# KiCad board EOutside.kicad_pcb (continued)
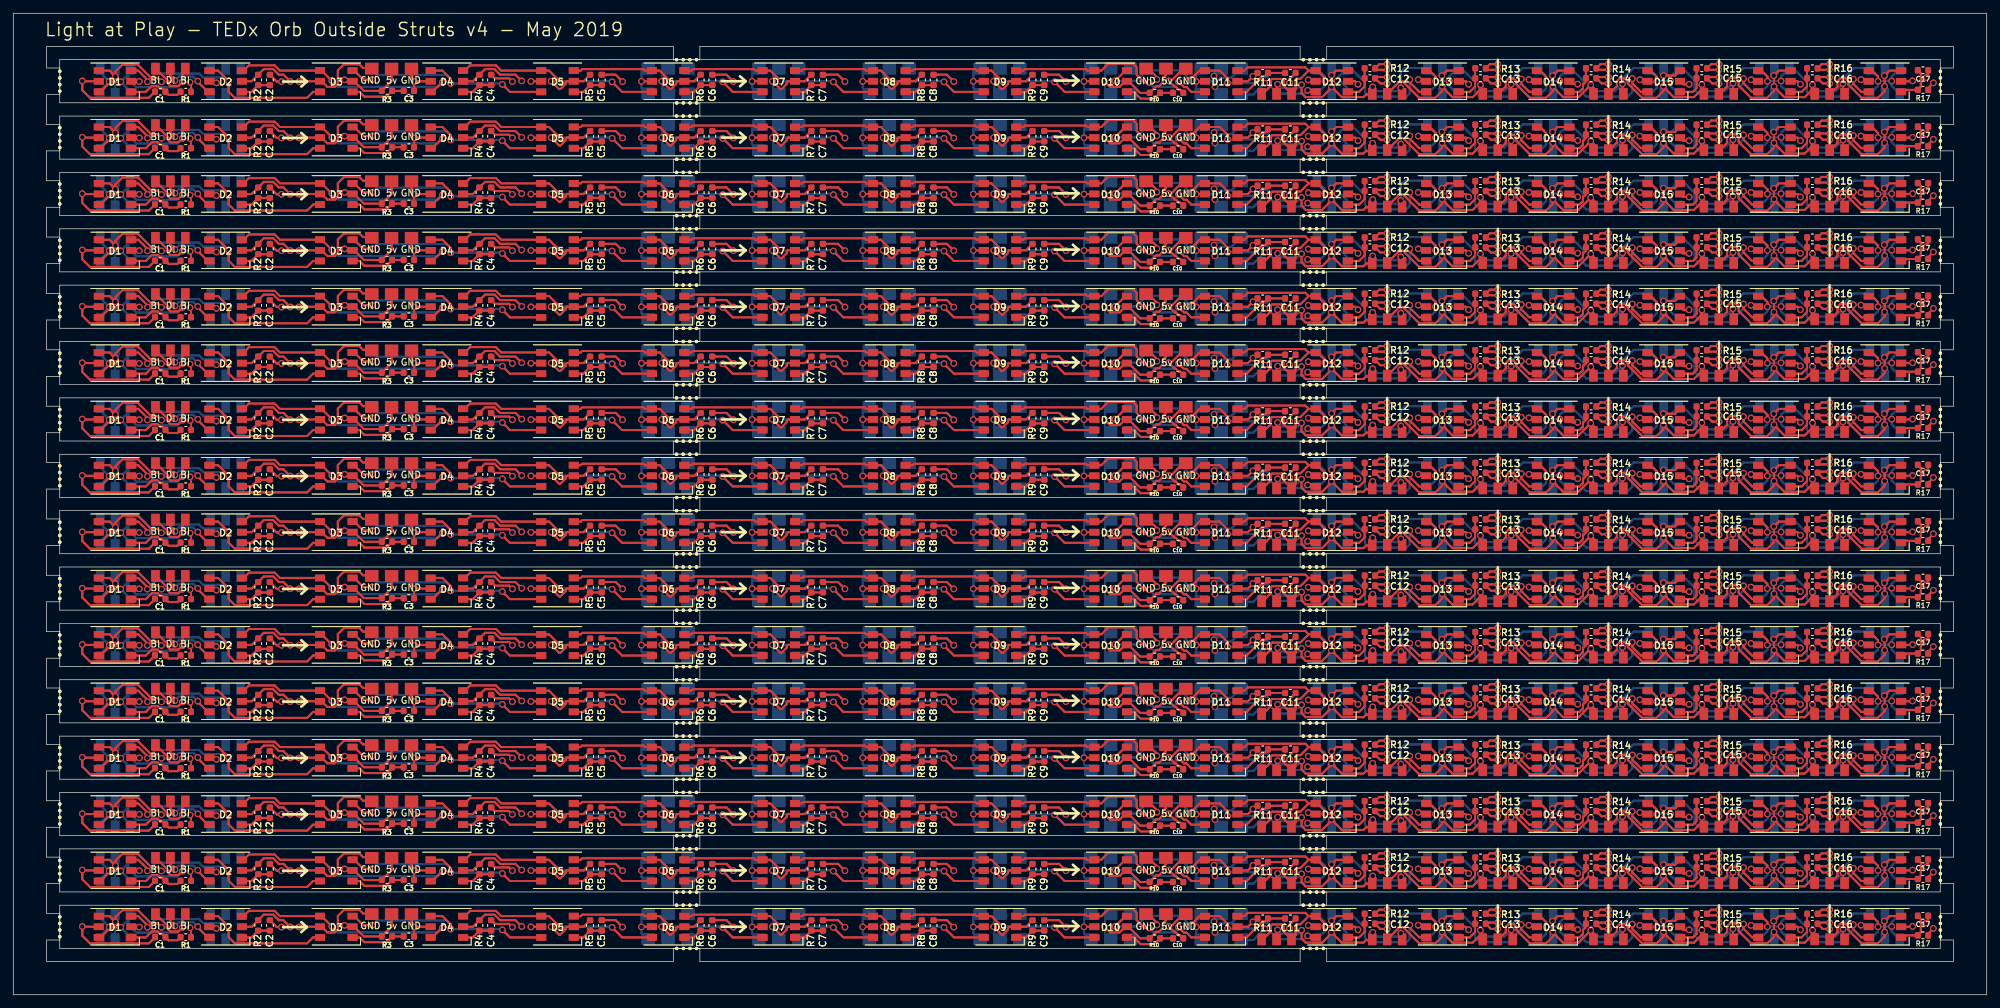
[diagram p0: board, top side]
## Routing (per net, layer and track width the routed paths; a pad name or vN(x,y) marks a point on that pad's centre or on a via; arc(x,y) is an arc through that point) (continued)
  Bottom w0.3: 233.02,137.03 234.2,135.85 233.02,137.03 ; 233.02,137.03 v1(233.02,137.79) ; 233.02,137.03 v1(233.02,137.79) ; v1(233.02,137.79) 233.02,138.47 ; v1(233.02,137.79) 233.02,138.47 ; v1(233.02,137.79) 231.02,137.79 ; v1(233.02,137.79) 231.02,137.79 ; 233.02,138.47 234.2,139.65 233.02,138.47 ; 233.02,128.53 234.2,127.35 233.02,128.53 ; 233.02,128.53 v1(233.02,129.29) ; 233.02,128.53 v1(233.02,129.29) ; v1(233.02,129.29) 233.02,129.97 ; v1(233.02,129.29) 231.02,129.29 ; v1(233.02,129.29) 231.02,129.29 ; v1(233.02,129.29) 233.02,129.97 ; 233.02,129.97 234.2,131.15 233.02,129.97 ; 215.39,131.24 215.33,131.3 215.39,131.24 ; 215.39,131.24 215.39,130.84 215.39,131.24 ; 215.25,131.06 J9#36.1 215.25,131.06 ; 215.25,131.06 v1(215.25,130.09) 215.25,131.06 ; 215.28,127.4 J9#35.1 215.28,127.4 ; 215.28,127.4 v1(215.28,128.47) 215.28,127.4 ; 231.02,129.29 v1(230.95,129.23) ; 231.02,129.29 v1(230.95,129.23) ; v1(230.95,129.23) 230.95,129.22 ; v1(230.95,129.23) 230.95,129.95 ; v1(230.95,129.23) 230.95,129.95 ; v1(230.95,129.23) 230.95,129.22 ; 230.13,127.35 230.95,128.18 ; 230.13,127.35 J10#35.2 230.13,127.35 ; 230.13,127.35 230.95,128.18 ; 230.95,128.18 230.95,129.22 ; 230.95,128.18 230.95,129.22 ; 230.95,129.95 J10#36.2 230.95,129.95 ; 225.18,128.28 v1(225.68,128.78) ; 225.18,128.28 224.66,127.76 ; 225.18,128.28 224.66,127.76 ; 225.18,128.28 v1(225.68,128.78) ; v1(225.68,128.78) 225.68,129.48 ; v1(225.68,128.78) 225.68,129.48 ; 222.01,127.76 224.66,127.76 ; 222.01,127.76 v1(221.05,128.73) 222.01,127.76 ; 222.01,127.76 224.66,127.76 ; 227.44,131.25 229.75,131.25 227.44,131.25 ; 227.44,131.25 225.68,129.48 ; 227.44,131.25 225.68,129.48 ; 243.93,127.62 v1(243.93,129.65) 243.93,127.62 ; 243.93,127.62 243.23,126.93 ; 243.93,127.62 243.23,126.93 ; 236.5,129.2 236.51,129.19 ; 236.5,129.2 236.5,129.38 ; 236.5,129.2 236.5,129.38 ; 236.5,129.2 236.51,129.19 ; 236.51,129.19 236.51,127.42 ; 236.51,129.19 236.51,127.42 ; 236.51,127.42 237,126.93 ; 236.51,127.42 237,126.93 ; 236.5,129.38 234.58,131.3 ; 236.5,129.38 234.58,131.3 ; 243.23,126.93 237,126.93 ; 243.23,126.93 237,126.93 ; 234.58,131.3 234.25,131.3 234.58,131.3 ; 233.02,120.03 234.2,118.85 233.02,120.03 ; 233.02,120.03 v1(233.02,120.79) ; 233.02,120.03 v1(233.02,120.79) ; v1(233.02,120.79) 233.02,121.47 ; v1(233.02,120.79) 231.02,120.79 ; v1(233.02,120.79) 231.02,120.79 ; v1(233.02,120.79) 233.02,121.47 ; 233.02,121.47 234.2,122.65 233.02,121.47 ; 215.39,122.74 215.33,122.8 215.39,122.74 ; 215.39,122.74 215.39,122.34 215.39,122.74 ; 215.25,122.56 J9#39.1 215.25,122.56 ; 215.25,122.56 v1(215.25,121.59) 215.25,122.56 ; 215.28,118.9 J9#37.1 215.28,118.9 ; 215.28,118.9 v1(215.28,119.97) 215.28,118.9 ; 231.02,120.79 v1(230.95,120.73) ; 231.02,120.79 v1(230.95,120.73) ; v1(230.95,120.73) 230.95,120.72 ; v1(230.95,120.73) 230.95,121.45 ; v1(230.95,120.73) 230.95,120.72 ; v1(230.95,120.73) 230.95,121.45 ; 230.13,118.85 230.95,119.68 ; 230.13,118.85 J10#37.2 230.13,118.85 ; 230.13,118.85 230.95,119.68 ; 230.95,119.68 230.95,120.72 ; 230.95,119.68 230.95,120.72 ; 230.95,121.45 J10#40.2 230.95,121.45 ; 225.18,119.78 v1(225.68,120.28) ; 225.18,119.78 224.66,119.26 ; 225.18,119.78 v1(225.68,120.28) ; 225.18,119.78 224.66,119.26 ; v1(225.68,120.28) 225.68,120.98 ; v1(225.68,120.28) 225.68,120.98 ; 222.01,119.26 224.66,119.26 ; 222.01,119.26 v1(221.05,120.23) 222.01,119.26 ; 222.01,119.26 224.66,119.26 ; 227.44,122.75 229.75,122.75 227.44,122.75 ; 227.44,122.75 225.68,120.98 ; 227.44,122.75 225.68,120.98 ; 243.93,119.12 v1(243.93,121.15) 243.93,119.12 ; 243.93,119.12 243.23,118.43 ; 243.93,119.12 243.23,118.43 ; 236.5,120.7 236.51,120.69 ; 236.5,120.7 236.5,120.88 ; 236.5,120.7 236.51,120.69 ; 236.5,120.7 236.5,120.88 ; 236.51,120.69 236.51,118.92 ; 236.51,120.69 236.51,118.92 ; 236.51,118.92 237,118.43 ; 236.51,118.92 237,118.43 ; 236.5,120.88 234.58,122.8 ; 236.5,120.88 234.58,122.8 ; 243.23,118.43 237,118.43 ; 243.23,118.43 237,118.43 ; 234.58,122.8 234.25,122.8 234.58,122.8 ; 234.58,114.3 236.5,112.38 ; 234.58,114.3 234.25,114.3 234.58,114.3 ; 234.58,114.3 236.5,112.38 ; 236.5,112.38 236.5,112.2 ; 236.5,112.38 236.5,112.2 ; 243.23,109.93 243.93,110.62 ; 243.23,109.93 237,109.93 ; 243.23,109.93 243.93,110.62 ; 243.23,109.93 237,109.93 ; 243.93,110.62 v1(243.93,112.65) 243.93,110.62 ; 237,109.93 236.51,110.42 ; 237,109.93 236.51,110.42 ; 236.51,112.19 236.51,110.42 ; 236.51,112.19 236.5,112.2 ; 236.51,112.19 236.5,112.2 ; 236.51,112.19 236.51,110.42 ; 225.68,112.48 v1(225.68,111.78) ; 225.68,112.48 227.44,114.25 ; 225.68,112.48 v1(225.68,111.78) ; 225.68,112.48 227.44,114.25 ; v1(225.68,111.78) 225.18,111.28 ; v1(225.68,111.78) 225.18,111.28 ; 224.66,110.76 225.18,111.28 ; 224.66,110.76 222.01,110.76 ; 224.66,110.76 225.18,111.28 ; 224.66,110.76 222.01,110.76 ; 227.44,114.25 229.75,114.25 227.44,114.25 ; 222.01,110.76 v1(221.05,111.73) 222.01,110.76 ; v1(230.95,112.23) 230.95,112.95 ; v1(230.95,112.23) 230.95,112.22 ; v1(230.95,112.23) 231.02,112.29 ; v1(230.95,112.23) 230.95,112.95 ; v1(230.95,112.23) 230.95,112.22 ; v1(230.95,112.23) 231.02,112.29 ; 230.95,112.95 J10#39.2 230.95,112.95 ; 230.13,110.35 J10#38.2 230.13,110.35 ; 230.13,110.35 230.95,111.18 ; 230.13,110.35 230.95,111.18 ; 230.95,111.18 230.95,112.22 ; 230.95,111.18 230.95,112.22 ; v1(233.02,112.29) 231.02,112.29 ; v1(233.02,112.29) 233.02,111.53 ; v1(233.02,112.29) 233.02,112.97 ; v1(233.02,112.29) 233.02,111.53 ; v1(233.02,112.29) 233.02,112.97 ; v1(233.02,112.29) 231.02,112.29 ; 215.25,114.06 J9#40.1 215.25,114.06 ; 215.25,114.06 v1(215.25,113.09) 215.25,114.06 ; 215.28,110.4 v1(215.28,111.47) 215.28,110.4 ; 215.28,110.4 J9#38.1 215.28,110.4 ; 215.39,114.24 215.39,113.84 215.39,114.24 ; 215.39,114.24 215.33,114.3 215.39,114.24 ; 233.02,112.97 234.2,114.15 233.02,112.97 ; 233.02,111.53 234.2,110.35 233.02,111.53 ; 215.39,139.74 215.33,139.8 215.39,139.74 ; 215.39,139.74 215.39,139.34 215.39,139.74 ; 215.25,139.56 J9#33.1 215.25,139.56 ; 215.25,139.56 v1(215.25,138.59) 215.25,139.56 ; 215.28,135.9 J9#34.1 215.28,135.9 ; 215.28,135.9 v1(215.28,136.97) 215.28,135.9 ; 231.02,137.79 v1(230.95,137.73) ; 231.02,137.79 v1(230.95,137.73) ; v1(230.95,137.73) 230.95,137.72 ; v1(230.95,137.73) 230.95,138.45 ; v1(230.95,137.73) 230.95,138.45 ; v1(230.95,137.73) 230.95,137.72 ; 230.13,135.85 230.95,136.68 ; 230.13,135.85 J10#34.2 230.13,135.85 ; 230.13,135.85 230.95,136.68 ; 230.95,136.68 230.95,137.72 ; 230.95,136.68 230.95,137.72 ; 230.95,138.45 J10#33.2 230.95,138.45 ; 225.18,136.78 v1(225.68,137.28) ; 225.18,136.78 224.66,136.26 ; 225.18,136.78 v1(225.68,137.28) ; 225.18,136.78 224.66,136.26 ; v1(225.68,137.28) 225.68,137.98 ; v1(225.68,137.28) 225.68,137.98 ; 222.01,136.26 224.66,136.26 ; 222.01,136.26 v1(221.05,137.23) 222.01,136.26 ; 222.01,136.26 224.66,136.26 ; 227.44,139.75 229.75,139.75 227.44,139.75 ; 227.44,139.75 225.68,137.98 ; 227.44,139.75 225.68,137.98 ; 243.93,136.12 v1(243.93,138.15) 243.93,136.12 ; 243.93,136.12 243.23,135.43 ; 243.93,136.12 243.23,135.43 ; 236.5,137.7 236.51,137.69 ; 236.5,137.7 236.5,137.88 ; 236.5,137.7 236.5,137.88 ; 236.5,137.7 236.51,137.69 ; 236.51,137.69 236.51,135.92 ; 236.51,137.69 236.51,135.92 ; 236.51,135.92 237,135.43 ; 236.51,135.92 237,135.43 ; 236.5,137.88 234.58,139.8 ; 236.5,137.88 234.58,139.8 ; 243.23,135.43 237,135.43 ; 243.23,135.43 237,135.43 ; 234.58,139.8 234.25,139.8 234.58,139.8 ; 233.02,103.03 234.2,101.85 233.02,103.03 ; 233.02,103.03 v1(233.02,103.79) ; 233.02,103.03 v1(233.02,103.79) ; v1(233.02,103.79) 233.02,104.47 ; v1(233.02,103.79) 231.02,103.79 ; v1(233.02,103.79) 231.02,103.79 ; v1(233.02,103.79) 233.02,104.47 ; 233.02,104.47 234.2,105.65 233.02,104.47 ; 215.39,105.74 215.33,105.8 215.39,105.74 ; 215.39,105.74 215.39,105.34 215.39,105.74 ; 215.25,105.56 J9#59.1 215.25,105.56 ; 215.25,105.56 v1(215.25,104.59) 215.25,105.56 ; 215.28,101.9 J9#52.1 215.28,101.9 ; 215.28,101.9 v1(215.28,102.97) 215.28,101.9 ; 231.02,103.79 v1(230.95,103.73) ; 231.02,103.79 v1(230.95,103.73) ; v1(230.95,103.73) 230.95,103.72 ; v1(230.95,103.73) 230.95,104.45 ; v1(230.95,103.73) 230.95,103.72 ; v1(230.95,103.73) 230.95,104.45 ; 230.13,101.85 230.95,102.68 ; 230.13,101.85 J10#53.2 230.13,101.85 ; 230.13,101.85 230.95,102.68 ; 230.95,102.68 230.95,103.72 ; 230.95,102.68 230.95,103.72 ; 230.95,104.45 J10#59.2 230.95,104.45 ; 225.18,102.78 v1(225.68,103.28) ; 225.18,102.78 224.66,102.26 ; 225.18,102.78 v1(225.68,103.28) ; 225.18,102.78 224.66,102.26 ; v1(225.68,103.28) 225.68,103.98 ; v1(225.68,103.28) 225.68,103.98 ; 222.01,102.26 224.66,102.26 ; 222.01,102.26 v1(221.05,103.23) 222.01,102.26 ; 222.01,102.26 224.66,102.26 ; 227.44,105.75 229.75,105.75 227.44,105.75 ; 227.44,105.75 225.68,103.98 ; 227.44,105.75 225.68,103.98 ; 243.93,102.12 v1(243.93,104.15) 243.93,102.12 ; 243.93,102.12 243.23,101.43 ; 243.93,102.12 243.23,101.43 ; 236.5,103.7 236.51,103.69 ; 236.5,103.7 236.5,103.88 ; 236.5,103.7 236.51,103.69 ; 236.5,103.7 236.5,103.88 ; 236.51,103.69 236.51,101.92 ; 236.51,103.69 236.51,101.92 ; 236.51,101.92 237,101.43 ; 236.51,101.92 237,101.43 ; 236.5,103.88 234.58,105.8 ; 236.5,103.88 234.58,105.8 ; 243.23,101.43 237,101.43 ; 243.23,101.43 237,101.43 ; 234.58,105.8 234.25,105.8 234.58,105.8 ; 234.58,97.3 236.5,95.38 ; 234.58,97.3 234.25,97.3 234.58,97.3 ; 234.58,97.3 236.5,95.38 ; 236.5,95.38 236.5,95.2 ; 236.5,95.38 236.5,95.2 ; 243.23,92.93 243.93,93.62 ; 243.23,92.93 237,92.93 ; 243.23,92.93 243.93,93.62 ; 243.23,92.93 237,92.93 ; 243.93,93.62 v1(243.93,95.65) 243.93,93.62 ; 237,92.93 236.51,93.42 ; 237,92.93 236.51,93.42 ; 236.51,95.19 236.51,93.42 ; 236.51,95.19 236.5,95.2 ; 236.51,95.19 236.51,93.42 ; 236.51,95.19 236.5,95.2 ; 225.68,95.48 v1(225.68,94.78) ; 225.68,95.48 227.44,97.25 ; 225.68,95.48 v1(225.68,94.78) ; 225.68,95.48 227.44,97.25 ; v1(225.68,94.78) 225.18,94.28 ; v1(225.68,94.78) 225.18,94.28 ; 224.66,93.76 225.18,94.28 ; 224.66,93.76 222.01,93.76 ; 224.66,93.76 225.18,94.28 ; 224.66,93.76 222.01,93.76 ; 227.44,97.25 229.75,97.25 227.44,97.25 ; 222.01,93.76 v1(221.05,94.73) 222.01,93.76 ; v1(230.95,95.23) 230.95,95.95 ; v1(230.95,95.23) 230.95,95.22 ; v1(230.95,95.23) 231.02,95.29 ; v1(230.95,95.23) 230.95,95.22 ; v1(230.95,95.23) 231.02,95.29 ; v1(230.95,95.23) 230.95,95.95 ; 230.95,95.95 J10#62.2 230.95,95.95 ; 230.13,93.35 J10#56.2 230.13,93.35 ; 230.13,93.35 230.95,94.18 ; 230.13,93.35 230.95,94.18 ; 230.95,94.18 230.95,95.22 ; 230.95,94.18 230.95,95.22 ; v1(233.02,95.29) 231.02,95.29 ; v1(233.02,95.29) 233.02,94.53 ; v1(233.02,95.29) 233.02,95.97 ; v1(233.02,95.29) 233.02,94.53 ; v1(233.02,95.29) 233.02,95.97 ; v1(233.02,95.29) 231.02,95.29 ; 215.25,97.06 J9#62.1 215.25,97.06 ; 215.25,97.06 v1(215.25,96.09) 215.25,97.06 ; 215.28,93.4 v1(215.28,94.47) 215.28,93.4 ; 215.28,93.4 J9#55.1 215.28,93.4 ; 215.39,97.24 215.39,96.84 215.39,97.24 ; 215.39,97.24 215.33,97.3 215.39,97.24 ; 233.02,95.97 234.2,97.15 233.02,95.97 ; 233.02,94.53 234.2,93.35 233.02,94.53 ; 233.02,78.97 234.2,80.15 233.02,78.97 ; 233.02,78.97 v1(233.02,78.29) ; 233.02,78.97 v1(233.02,78.29) ; v1(233.02,78.29) 233.02,77.53 ; v1(233.02,78.29) 231.02,78.29 ; v1(233.02,78.29) 231.02,78.29 ; v1(233.02,78.29) 233.02,77.53 ; 233.02,77.53 234.2,76.35 233.02,77.53 ; 236.5,78.38 236.5,78.2 ; 236.5,78.38 234.58,80.3 ; 236.5,78.38 236.5,78.2 ; 236.5,78.38 234.58,80.3 ; 236.5,78.2 236.51,78.19 ; 236.5,78.2 236.51,78.19 ; 243.93,76.62 v1(243.93,78.65) 243.93,76.62 ; 243.93,76.62 243.23,75.93 ; 243.93,76.62 243.23,75.93 ; 236.51,78.19 236.51,76.42 ; 236.51,78.19 236.51,76.42 ; 225.68,78.48 v1(225.68,77.78) ; 225.68,78.48 227.44,80.25 ; 225.68,78.48 v1(225.68,77.78) ; 225.68,78.48 227.44,80.25 ; v1(225.68,77.78) 225.18,77.28 ; v1(225.68,77.78) 225.18,77.28 ; 224.66,76.76 225.18,77.28 ; 224.66,76.76 222.01,76.76 ; 224.66,76.76 225.18,77.28 ; 224.66,76.76 222.01,76.76 ; 227.44,80.25 229.75,80.25 227.44,80.25 ; 222.01,76.76 v1(221.05,77.73) 222.01,76.76 ; v1(230.95,78.23) 230.95,78.95 ; v1(230.95,78.23) 230.95,78.22 ; v1(230.95,78.23) 231.02,78.29 ; v1(230.95,78.23) 230.95,78.95 ; v1(230.95,78.23) 230.95,78.22 ; v1(230.95,78.23) 231.02,78.29 ; 230.95,78.95 J10#52.2 230.95,78.95 ; 230.13,76.35 J10#50.2 230.13,76.35 ; 230.13,76.35 230.95,77.18 ; 230.13,76.35 230.95,77.18 ; 230.95,77.18 230.95,78.22 ; 230.95,77.18 230.95,78.22 ; 215.25,80.06 J9#56.1 215.25,80.06 ; 215.25,80.06 v1(215.25,79.09) 215.25,80.06 ; 215.28,76.4 v1(215.28,77.47) 215.28,76.4 ; 215.28,76.4 J9#50.1 215.28,76.4 ; 234.58,80.3 234.25,80.3 234.58,80.3 ; 236.51,76.42 237,75.93 ; 236.51,76.42 237,75.93 ; 237,75.93 243.23,75.93 ; 237,75.93 243.23,75.93 ; 215.39,80.24 215.39,79.84 215.39,80.24 ; 215.39,80.24 215.33,80.3 215.39,80.24 ; 215.39,88.74 215.33,88.8 215.39,88.74 ; 215.39,88.74 215.39,88.34 215.39,88.74 ; 215.25,88.56 J9#51.1 215.25,88.56 ; 215.25,88.56 v1(215.25,87.59) 215.25,88.56 ; 215.28,84.9 J9#49.1 215.28,84.9 ; 215.28,84.9 v1(215.28,85.97) 215.28,84.9 ; 231.02,86.79 v1(230.95,86.73) ; 231.02,86.79 v1(233.02,86.79) ; 231.02,86.79 v1(230.95,86.73) ; 231.02,86.79 v1(233.02,86.79) ; v1(230.95,86.73) 230.95,86.72 ; v1(230.95,86.73) 230.95,87.45 ; v1(230.95,86.73) 230.95,86.72 ; v1(230.95,86.73) 230.95,87.45 ; v1(233.02,86.79) 233.02,86.03 ; v1(233.02,86.79) 233.02,87.47 ; v1(233.02,86.79) 233.02,86.03 ; v1(233.02,86.79) 233.02,87.47 ; 230.13,84.85 230.95,85.68 ; 230.13,84.85 J10#49.2 230.13,84.85 ; 230.13,84.85 230.95,85.68 ; 230.95,85.68 230.95,86.72 ; 230.95,85.68 230.95,86.72 ; 230.95,87.45 J10#51.2 230.95,87.45 ; 225.18,85.78 v1(225.68,86.28) ; 225.18,85.78 224.66,85.26 ; 225.18,85.78 v1(225.68,86.28) ; 225.18,85.78 224.66,85.26 ; v1(225.68,86.28) 225.68,86.98 ; v1(225.68,86.28) 225.68,86.98 ; 222.01,85.26 224.66,85.26 ; 222.01,85.26 v1(221.05,86.23) 222.01,85.26 ; 222.01,85.26 224.66,85.26 ; 227.44,88.75 229.75,88.75 227.44,88.75 ; 227.44,88.75 225.68,86.98 ; 227.44,88.75 225.68,86.98 ; 243.93,85.12 v1(243.93,87.15) 243.93,85.12 ; 243.93,85.12 243.23,84.43 ; 243.93,85.12 243.23,84.43 ; 236.5,86.7 236.51,86.69 ; 236.5,86.7 236.5,86.88 ; 236.5,86.7 236.51,86.69 ; 236.5,86.7 236.5,86.88 ; 236.51,86.69 236.51,84.92 ; 236.51,86.69 236.51,84.92 ; 236.51,84.92 237,84.43 ; 236.51,84.92 237,84.43 ; 236.5,86.88 234.58,88.8 ; 236.5,86.88 234.58,88.8 ; 243.23,84.43 237,84.43 ; 243.23,84.43 237,84.43 ; 234.58,88.8 234.25,88.8 234.58,88.8 ; 233.02,86.03 234.2,84.85 233.02,86.03 ; 233.02,87.47 234.2,88.65 233.02,87.47 ; 215.39,71.74 215.33,71.8 215.39,71.74 ; 215.39,71.74 215.39,71.34 215.39,71.74 ; 215.25,71.56 J9#73.1 215.25,71.56 ; 215.25,71.56 v1(215.25,70.59) 215.25,71.56 ; 215.28,67.9 J9#66.1 215.28,67.9 ; 215.28,67.9 v1(215.28,68.97) 215.28,67.9 ; 231.02,69.79 v1(230.95,69.73) ; 231.02,69.79 v1(233.02,69.79) ; 231.02,69.79 v1(230.95,69.73) ; 231.02,69.79 v1(233.02,69.79) ; v1(230.95,69.73) 230.95,69.72 ; v1(230.95,69.73) 230.95,70.45 ; v1(230.95,69.73) 230.95,69.72 ; v1(230.95,69.73) 230.95,70.45 ; v1(233.02,69.79) 233.02,69.03 ; v1(233.02,69.79) 233.02,70.47 ; v1(233.02,69.79) 233.02,69.03 ; v1(233.02,69.79) 233.02,70.47 ; 230.13,67.85 230.95,68.68 ; 230.13,67.85 J10#66.2 230.13,67.85 ; 230.13,67.85 230.95,68.68 ; 230.95,68.68 230.95,69.72 ; 230.95,68.68 230.95,69.72 ; 230.95,70.45 J10#74.2 230.95,70.45 ; 225.18,68.78 v1(225.68,69.28) ; 225.18,68.78 224.66,68.26 ; 225.18,68.78 v1(225.68,69.28) ; 225.18,68.78 224.66,68.26 ; v1(225.68,69.28) 225.68,69.98 ; v1(225.68,69.28) 225.68,69.98 ; 222.01,68.26 224.66,68.26 ; 222.01,68.26 v1(221.05,69.23) 222.01,68.26 ; 222.01,68.26 224.66,68.26 ; 227.44,71.75 229.75,71.75 227.44,71.75 ; 227.44,71.75 225.68,69.98 ; 227.44,71.75 225.68,69.98 ; 243.93,68.12 v1(243.93,70.15) 243.93,68.12 ; 243.93,68.12 243.23,67.43 ; 243.93,68.12 243.23,67.43 ; 236.5,69.7 236.51,69.69 ; 236.5,69.7 236.5,69.88 ; 236.5,69.7 236.51,69.69 ; 236.5,69.7 236.5,69.88 ; 236.51,69.69 236.51,67.92 ; 236.51,69.69 236.51,67.92 ; 236.51,67.92 237,67.43 ; 236.51,67.92 237,67.43 ; 236.5,69.88 234.58,71.8 ; 236.5,69.88 234.58,71.8 ; 243.23,67.43 237,67.43 ; 243.23,67.43 237,67.43 ; 234.58,71.8 234.25,71.8 234.58,71.8 ; 233.02,69.03 234.2,67.85 233.02,69.03 ; 233.02,70.47 234.2,71.65 233.02,70.47 ; 234.58,63.3 236.5,61.38 ; 234.58,63.3 234.25,63.3 234.58,63.3 ; 234.58,63.3 236.5,61.38 ; 236.5,61.38 236.5,61.2 ; 236.5,61.38 236.5,61.2 ; 243.23,58.93 243.93,59.62 ; 243.23,58.93 237,58.93 ; 243.23,58.93 243.93,59.62 ; 243.23,58.93 237,58.93 ; 243.93,59.62 v1(243.93,61.65) 243.93,59.62 ; 237,58.93 236.51,59.42 ; 237,58.93 236.51,59.42 ; 236.51,61.19 236.51,59.42 ; 236.51,61.19 236.5,61.2 ; 236.51,61.19 236.51,59.42 ; 236.51,61.19 236.5,61.2 ; 225.68,61.48 v1(225.68,60.78) ; 225.68,61.48 227.44,63.25 ; 225.68,61.48 v1(225.68,60.78) ; 225.68,61.48 227.44,63.25 ; v1(225.68,60.78) 225.18,60.28 ; v1(225.68,60.78) 225.18,60.28 ; 224.66,59.76 225.18,60.28 ; 224.66,59.76 222.01,59.76 ; 224.66,59.76 225.18,60.28 ; 224.66,59.76 222.01,59.76 ; 227.44,63.25 229.75,63.25 227.44,63.25 ; 222.01,59.76 v1(221.05,60.73) 222.01,59.76 ; v1(230.95,61.23) 230.95,61.95 ; v1(230.95,61.23) 230.95,61.22 ; v1(230.95,61.23) 231.02,61.29 ; v1(230.95,61.23) 230.95,61.22 ; v1(230.95,61.23) 231.02,61.29 ; v1(230.95,61.23) 230.95,61.95 ; 230.95,61.95 J10#73.2 230.95,61.95 ; 230.13,59.35 J10#68.2 230.13,59.35 ; 230.13,59.35 230.95,60.18 ; 230.13,59.35 230.95,60.18 ; 230.95,60.18 230.95,61.22 ; 230.95,60.18 230.95,61.22 ; v1(233.02,61.29) 231.02,61.29 ; v1(233.02,61.29) 233.02,60.53 ; v1(233.02,61.29) 233.02,61.97 ; v1(233.02,61.29) 231.02,61.29 ; v1(233.02,61.29) 233.02,60.53 ; v1(233.02,61.29) 233.02,61.97 ; 215.25,63.06 J9#74.1 215.25,63.06 ; 215.25,63.06 v1(215.25,62.09) 215.25,63.06 ; 215.28,59.4 v1(215.28,60.47) 215.28,59.4 ; 215.28,59.4 J9#65.1 215.28,59.4 ; 215.39,63.24 215.39,62.84 215.39,63.24 ; 215.39,63.24 215.33,63.3 215.39,63.24 ; 233.02,61.97 234.2,63.15 233.02,61.97 ; 233.02,60.53 234.2,59.35 233.02,60.53 ; 233.02,44.97 234.2,46.15 233.02,44.97 ; 233.02,44.97 v1(233.02,44.29) ; 233.02,44.97 v1(233.02,44.29) ; v1(233.02,44.29) 233.02,43.53 ; v1(233.02,44.29) 233.02,43.53 ; v1(233.02,44.29) 231.02,44.29 ; v1(233.02,44.29) 231.02,44.29 ; 233.02,43.53 234.2,42.35 233.02,43.53 ; 234.58,46.3 236.5,44.38 ; 234.58,46.3 236.5,44.38 ; 234.58,46.3 234.25,46.3 234.58,46.3 ; 236.5,44.38 236.5,44.2 ; 236.5,44.38 236.5,44.2 ; 243.23,41.93 243.93,42.62 ; 243.23,41.93 237,41.93 ; 243.23,41.93 243.93,42.62 ; 243.23,41.93 237,41.93 ; 243.93,42.62 v1(243.93,44.65) 243.93,42.62 ; 237,41.93 236.51,42.42 ; 237,41.93 236.51,42.42 ; 236.51,44.19 236.51,42.42 ; 236.51,44.19 236.51,42.42 ; 236.51,44.19 236.5,44.2 ; 236.51,44.19 236.5,44.2 ; 225.68,44.48 v1(225.68,43.78) ; 225.68,44.48 227.44,46.25 ; 225.68,44.48 v1(225.68,43.78) ; 225.68,44.48 227.44,46.25 ; v1(225.68,43.78) 225.18,43.28 ; v1(225.68,43.78) 225.18,43.28 ; 224.66,42.76 225.18,43.28 ; 224.66,42.76 222.01,42.76 ; 224.66,42.76 225.18,43.28 ; 224.66,42.76 222.01,42.76 ; 227.44,46.25 229.75,46.25 227.44,46.25 ; 222.01,42.76 v1(221.05,43.73) 222.01,42.76 ; v1(230.95,44.23) 230.95,44.95 ; v1(230.95,44.23) 230.95,44.22 ; v1(230.95,44.23) 231.02,44.29 ; v1(230.95,44.23) 230.95,44.95 ; v1(230.95,44.23) 230.95,44.22 ; v1(230.95,44.23) 231.02,44.29 ; 230.95,44.95 J10#67.2 230.95,44.95 ; 230.13,42.35 J10#65.2 230.13,42.35 ; 230.13,42.35 230.95,43.18 ; 230.13,42.35 230.95,43.18 ; 230.95,43.18 230.95,44.22 ; 230.95,43.18 230.95,44.22 ; 215.25,46.06 J9#70.1 215.25,46.06 ; 215.25,46.06 v1(215.25,45.09) 215.25,46.06 ; 215.28,42.4 v1(215.28,43.47) 215.28,42.4 ; 215.28,42.4 J9#75.1 215.28,42.4 ; 215.39,46.24 215.39,45.84 215.39,46.24 ; 215.39,46.24 215.33,46.3 215.39,46.24 ; 215.39,54.74 215.33,54.8 215.39,54.74 ; 215.39,54.74 215.39,54.34 215.39,54.74 ; 215.25,54.56 J9#67.1 215.25,54.56 ; 215.25,54.56 v1(215.25,53.59) 215.25,54.56 ; 215.28,50.9 J9#69.1 215.28,50.9 ; 215.28,50.9 v1(215.28,51.97) 215.28,50.9 ; 231.02,52.79 v1(230.95,52.73) ; 231.02,52.79 v1(233.02,52.79) ; 231.02,52.79 v1(230.95,52.73) ; 231.02,52.79 v1(233.02,52.79) ; v1(230.95,52.73) 230.95,52.72 ; v1(230.95,52.73) 230.95,53.45 ; v1(230.95,52.73) 230.95,52.72 ; v1(230.95,52.73) 230.95,53.45 ; v1(233.02,52.79) 233.02,52.03 ; v1(233.02,52.79) 233.02,53.47 ; v1(233.02,52.79) 233.02,52.03 ; v1(233.02,52.79) 233.02,53.47 ; 230.13,50.85 230.95,51.68 ; 230.13,50.85 J10#71.2 230.13,50.85 ; 230.13,50.85 230.95,51.68 ; 230.95,51.68 230.95,52.72 ; 230.95,51.68 230.95,52.72 ; 230.95,53.45 J10#69.2 230.95,53.45 ; 225.18,51.78 v1(225.68,52.28) ; 225.18,51.78 224.66,51.26 ; 225.18,51.78 v1(225.68,52.28) ; 225.18,51.78 224.66,51.26 ; v1(225.68,52.28) 225.68,52.98 ; v1(225.68,52.28) 225.68,52.98 ; 222.01,51.26 224.66,51.26 ; 222.01,51.26 v1(221.05,52.23) 222.01,51.26 ; 222.01,51.26 224.66,51.26 ; 227.44,54.75 229.75,54.75 227.44,54.75 ; 227.44,54.75 225.68,52.98 ; 227.44,54.75 225.68,52.98 ; 243.93,51.12 v1(243.93,53.15) 243.93,51.12 ; 243.93,51.12 243.23,50.43 ; 243.93,51.12 243.23,50.43 ; 236.5,52.7 236.51,52.69 ; 236.5,52.7 236.5,52.88 ; 236.5,52.7 236.51,52.69 ; 236.5,52.7 236.5,52.88 ; 236.51,52.69 236.51,50.92 ; 236.51,52.69 236.51,50.92 ; 236.51,50.92 237,50.43 ; 236.51,50.92 237,50.43 ; 236.5,52.88 234.58,54.8 ; 236.5,52.88 234.58,54.8 ; 243.23,50.43 237,50.43 ; 243.23,50.43 237,50.43 ; 234.58,54.8 234.25,54.8 234.58,54.8 ; 233.02,52.03 234.2,50.85 233.02,52.03 ; 233.02,53.47 234.2,54.65 233.02,53.47 ; 233.02,27.97 234.2,29.15 233.02,27.97 ; 233.02,27.97 v1(233.02,27.29) ; 233.02,27.97 v1(233.02,27.29) ; v1(233.02,27.29) 233.02,26.53 ; v1(233.02,27.29) 231.02,27.29 ; v1(233.02,27.29) 233.02,26.53 ; v1(233.02,27.29) 231.02,27.29 ; 233.02,26.53 234.2,25.35 233.02,26.53 ; 233.02,10.97 234.2,12.15 233.02,10.97 ; 233.02,10.97 v1(233.02,10.29) ; 233.02,10.97 v1(233.02,10.29) ; v1(233.02,10.29) 233.02,9.53 ; v1(233.02,10.29) 231.02,10.29 ; v1(233.02,10.29) 231.02,10.29 ; v1(233.02,10.29) 233.02,9.53 ; 233.02,9.53 234.2,8.35 233.02,9.53 ; 215.28,33.9 J9#86.1 215.28,33.9 ; 215.28,33.9 v1(215.28,34.97) 215.28,33.9 ; 231.02,35.79 v1(230.95,35.73) ; 231.02,35.79 v1(233.02,35.79) ; 231.02,35.79 v1(230.95,35.73) ; 231.02,35.79 v1(233.02,35.79) ; v1(230.95,35.73) 230.95,35.72 ; v1(230.95,35.73) 230.95,36.45 ; v1(230.95,35.73) 230.95,35.72 ; v1(230.95,35.73) 230.95,36.45 ; v1(233.02,35.79) 233.02,35.03 ; v1(233.02,35.79) 233.02,36.47 ; v1(233.02,35.79) 233.02,35.03 ; v1(233.02,35.79) 233.02,36.47 ; 230.13,33.85 230.95,34.68 ; 230.13,33.85 J10#82.2 230.13,33.85 ; 230.13,33.85 230.95,34.68 ; 230.95,34.68 230.95,35.72 ; 230.95,34.68 230.95,35.72 ; 230.95,36.45 J10#91.2 230.95,36.45 ; 225.18,34.78 v1(225.68,35.28) ; 225.18,34.78 224.66,34.26 ; 225.18,34.78 v1(225.68,35.28) ; 225.18,34.78 224.66,34.26 ; v1(225.68,35.28) 225.68,35.98 ; v1(225.68,35.28) 225.68,35.98 ; 222.01,34.26 224.66,34.26 ; 222.01,34.26 v1(221.05,35.23) 222.01,34.26 ; 222.01,34.26 224.66,34.26 ; 227.44,37.75 229.75,37.75 227.44,37.75 ; 227.44,37.75 225.68,35.98 ; 227.44,37.75 225.68,35.98 ; 243.93,34.12 v1(243.93,36.15) 243.93,34.12 ; 243.93,34.12 243.23,33.43 ; 243.93,34.12 243.23,33.43 ; 236.5,35.7 236.51,35.69 ; 236.5,35.7 236.5,35.88 ; 236.5,35.7 236.51,35.69 ; 236.5,35.7 236.5,35.88 ; 236.51,35.69 236.51,33.92 ; 236.51,35.69 236.51,33.92 ; 236.51,33.92 237,33.43 ; 236.51,33.92 237,33.43 ; 236.5,35.88 234.58,37.8 ; 236.5,35.88 234.58,37.8 ; 243.23,33.43 237,33.43 ; 243.23,33.43 237,33.43 ; 234.58,37.8 234.25,37.8 234.58,37.8 ; 215.39,37.74 215.33,37.8 215.39,37.74 ; 215.39,37.74 215.39,37.34 215.39,37.74 ; 215.25,37.56 J9#89.1 215.25,37.56 ; 215.25,37.56 v1(215.25,36.59) 215.25,37.56 ; 233.02,35.03 234.2,33.85 233.02,35.03 ; 233.02,36.47 234.2,37.65 233.02,36.47 ; 234.58,12.3 236.5,10.38 ; 234.58,12.3 234.25,12.3 234.58,12.3 ; 234.58,12.3 236.5,10.38 ; 236.5,10.38 236.5,10.2 ; 236.5,10.38 236.5,10.2 ; 243.23,7.93 243.93,8.62 ; 243.23,7.93 237,7.93 ; 243.23,7.93 243.93,8.62 ; 243.23,7.93 237,7.93 ; 243.93,8.62 v1(243.93,10.65) 243.93,8.62 ; 237,7.93 236.51,8.42 ; 237,7.93 236.51,8.42 ; 236.51,10.19 236.51,8.42 ; 236.51,10.19 236.5,10.2 ; 236.51,10.19 236.51,8.42 ; 236.51,10.19 236.5,10.2 ; v1(230.95,10.23) 230.95,10.95 ; v1(230.95,10.23) 230.95,10.22 ; v1(230.95,10.23) 231.02,10.29 ; v1(230.95,10.23) 230.95,10.95 ; v1(230.95,10.23) 230.95,10.22 ; v1(230.95,10.23) 231.02,10.29 ; 230.95,10.95 J10#86.2 230.95,10.95 ; 230.13,8.35 J10#81.2 230.13,8.35 ; 230.13,8.35 230.95,9.18 ; 230.13,8.35 230.95,9.18 ; 230.95,9.18 230.95,10.22 ; 230.95,9.18 230.95,10.22 ; 215.25,12.06 J9#82.1 215.25,12.06 ; 215.25,12.06 v1(215.25,11.09) 215.25,12.06 ; 215.28,8.4 v1(215.28,9.47) 215.28,8.4 ; 215.28,8.4 J9#91.1 215.28,8.4 ; 215.39,12.24 215.39,11.84 215.39,12.24 ; 215.39,12.24 215.33,12.3 215.39,12.24 ; 215.39,20.74 215.33,20.8 215.39,20.74 ; 215.39,20.74 215.39,20.34 215.39,20.74 ; 215.25,20.56 J9#87.1 215.25,20.56 ; 215.25,20.56 v1(215.25,19.59) 215.25,20.56 ; 215.28,16.9 J9#83.1 215.28,16.9 ; 215.28,16.9 v1(215.28,17.97) 215.28,16.9 ; 231.02,18.79 v1(230.95,18.73) ; 231.02,18.79 v1(233.02,18.79) ; 231.02,18.79 v1(230.95,18.73) ; 231.02,18.79 v1(233.02,18.79) ; v1(230.95,18.73) 230.95,18.72 ; v1(230.95,18.73) 230.95,19.45 ; v1(230.95,18.73) 230.95,18.72 ; v1(230.95,18.73) 230.95,19.45 ; v1(233.02,18.79) 233.02,18.03 ; v1(233.02,18.79) 233.02,19.47 ; v1(233.02,18.79) 233.02,18.03 ; v1(233.02,18.79) 233.02,19.47 ; 230.13,16.85 230.95,17.68 ; 230.13,16.85 J10#83.2 230.13,16.85 ; 230.13,16.85 230.95,17.68 ; 230.95,17.68 230.95,18.72 ; 230.95,17.68 230.95,18.72 ; 230.95,19.45 J10#87.2 230.95,19.45 ; 225.18,17.78 v1(225.68,18.28) ; 225.18,17.78 224.66,17.26 ; 225.18,17.78 v1(225.68,18.28) ; 225.18,17.78 224.66,17.26 ; v1(225.68,18.28) 225.68,18.98 ; v1(225.68,18.28) 225.68,18.98 ; 222.01,17.26 224.66,17.26 ; 222.01,17.26 v1(221.05,18.23) 222.01,17.26 ; 222.01,17.26 224.66,17.26 ; 227.44,20.75 229.75,20.75 227.44,20.75 ; 227.44,20.75 225.68,18.98 ; 227.44,20.75 225.68,18.98 ; 243.93,17.12 v1(243.93,19.15) 243.93,17.12 ; 243.93,17.12 243.23,16.43 ; 243.93,17.12 243.23,16.43 ; 236.5,18.7 236.51,18.69 ; 236.5,18.7 236.5,18.88 ; 236.5,18.7 236.51,18.69 ; 236.5,18.7 236.5,18.88 ; 236.51,18.69 236.51,16.92 ; 236.51,18.69 236.51,16.92 ; 236.51,16.92 237,16.43 ; 236.51,16.92 237,16.43 ; 236.5,18.88 234.58,20.8 ; 236.5,18.88 234.58,20.8 ; 243.23,16.43 237,16.43 ; 243.23,16.43 237,16.43 ; 234.58,20.8 234.25,20.8 234.58,20.8 ; 233.02,18.03 234.2,16.85 233.02,18.03 ; 233.02,19.47 234.2,20.65 233.02,19.47 ; 225.68,10.48 v1(225.68,9.78) ; 225.68,10.48 227.44,12.25 ; 225.68,10.48 v1(225.68,9.78) ; 225.68,10.48 227.44,12.25 ; v1(225.68,9.78) 225.18,9.28 ; v1(225.68,9.78) 225.18,9.28 ; 224.66,8.76 225.18,9.28 ; 224.66,8.76 222.01,8.76 ; 224.66,8.76 225.18,9.28 ; 224.66,8.76 222.01,8.76 ; 227.44,12.25 229.75,12.25 227.44,12.25 ; 222.01,8.76 v1(221.05,9.73) 222.01,8.76 ; 234.58,29.3 236.5,27.38 ; 234.58,29.3 234.25,29.3 234.58,29.3 ; 234.58,29.3 236.5,27.38 ; 236.5,27.38 236.5,27.2 ; 236.5,27.38 236.5,27.2 ; 243.23,24.93 243.93,25.62 ; 243.23,24.93 237,24.93 ; 243.23,24.93 243.93,25.62 ; 243.23,24.93 237,24.93 ; 243.93,25.62 v1(243.93,27.65) 243.93,25.62 ; 237,24.93 236.51,25.42 ; 237,24.93 236.51,25.42 ; 236.51,27.19 236.51,25.42 ; 236.51,27.19 236.5,27.2 ; 236.51,27.19 236.51,25.42 ; 236.51,27.19 236.5,27.2 ; 225.68,27.48 v1(225.68,26.78) ; 225.68,27.48 227.44,29.25 ; 225.68,27.48 v1(225.68,26.78) ; 225.68,27.48 227.44,29.25 ; v1(225.68,26.78) 225.18,26.28 ; v1(225.68,26.78) 225.18,26.28 ; 224.66,25.76 225.18,26.28 ; 224.66,25.76 222.01,25.76 ; 224.66,25.76 225.18,26.28 ; 224.66,25.76 222.01,25.76 ; 227.44,29.25 229.75,29.25 227.44,29.25 ; 222.01,25.76 v1(221.05,26.73) 222.01,25.76 ; v1(230.95,27.23) 230.95,27.95 ; v1(230.95,27.23) 230.95,27.22 ; v1(230.95,27.23) 231.02,27.29 ; v1(230.95,27.23) 230.95,27.95 ; v1(230.95,27.23) 230.95,27.22 ; v1(230.95,27.23) 231.02,27.29 ; 230.95,27.95 J10#93.2 230.95,27.95 ; 230.13,25.35 J10#90.2 230.13,25.35 ; 230.13,25.35 230.95,26.18 ; 230.13,25.35 230.95,26.18 ; 215.39,29.24 215.39,28.84 215.39,29.24 ; 215.39,29.24 215.33,29.3 215.39,29.24 ; 230.95,26.18 230.95,27.22 ; 230.95,26.18 230.95,27.22 ; 215.25,29.06 J9#81.1 215.25,29.06 ; 215.25,29.06 v1(215.25,28.09) 215.25,29.06 ; 215.28,25.4 v1(215.28,26.47) 215.28,25.4 ; 215.28,25.4 J9#88.1 215.28,25.4 ; 229.75,139.68 229.75,139.31 229.75,139.68 ; 229.75,131.18 229.75,130.81 229.75,131.18 ; 215.33,127.25 215.27,127.32 215.33,127.25 ; 229.75,122.68 229.75,122.31 229.75,122.68 ; 215.33,118.75 215.27,118.82 215.33,118.75 ; 215.33,110.25 215.27,110.32 215.33,110.25 ; 229.75,114.18 229.75,113.81 229.75,114.18 ; 215.33,135.75 215.27,135.82 215.33,135.75 ; 229.75,105.68 229.75,105.31 229.75,105.68 ; 215.33,101.75 215.27,101.82 215.33,101.75 ; 215.33,93.25 215.27,93.32 215.33,93.25 ; 229.75,97.18 229.75,96.81 229.75,97.18 ; 229.75,80.18 229.75,79.81 229.75,80.18 ; 215.33,76.25 215.27,76.32 215.33,76.25 ; 215.33,84.75 215.27,84.82 215.33,84.75 ; 229.75,88.68 229.75,88.31 229.75,88.68 ; 215.33,67.75 215.27,67.82 215.33,67.75 ; 229.75,71.68 229.75,71.31 229.75,71.68 ; 215.33,59.25 215.27,59.32 215.33,59.25 ; 229.75,63.18 229.75,62.81 229.75,63.18 ; 229.75,46.18 229.75,45.81 229.75,46.18 ; 215.33,42.25 215.27,42.32 215.33,42.25 ; 215.33,50.75 215.27,50.82 215.33,50.75 ; 229.75,54.68 229.75,54.31 229.75,54.68 ; 229.75,29.18 229.75,28.81 229.75,29.18 ; 229.75,12.18 229.75,11.81 229.75,12.18 ; 215.33,33.75 215.27,33.82 215.33,33.75 ; 229.75,37.68 229.75,37.31 229.75,37.68 ; 215.33,8.25 215.27,8.32 215.33,8.25 ; 215.33,16.75 215.27,16.82 215.33,16.75 ; 229.75,20.68 229.75,20.31 229.75,20.68 ; 215.33,25.25 215.27,25.32 215.33,25.25
